# Altium PCB carrier.PcbDoc (part 5 of 5)
Units mil, origin at the board's own origin, x right, y up, seen from the top; angles counter-clockwise.
Board outline 5511.81 x 3425.2 mil, 4 copper layers (Component Side, Power_layer1, Power_layer2, Solder Side), stack 65.912 mil thick; 384 components, 416 nets, 1916 pads, 853 vias.
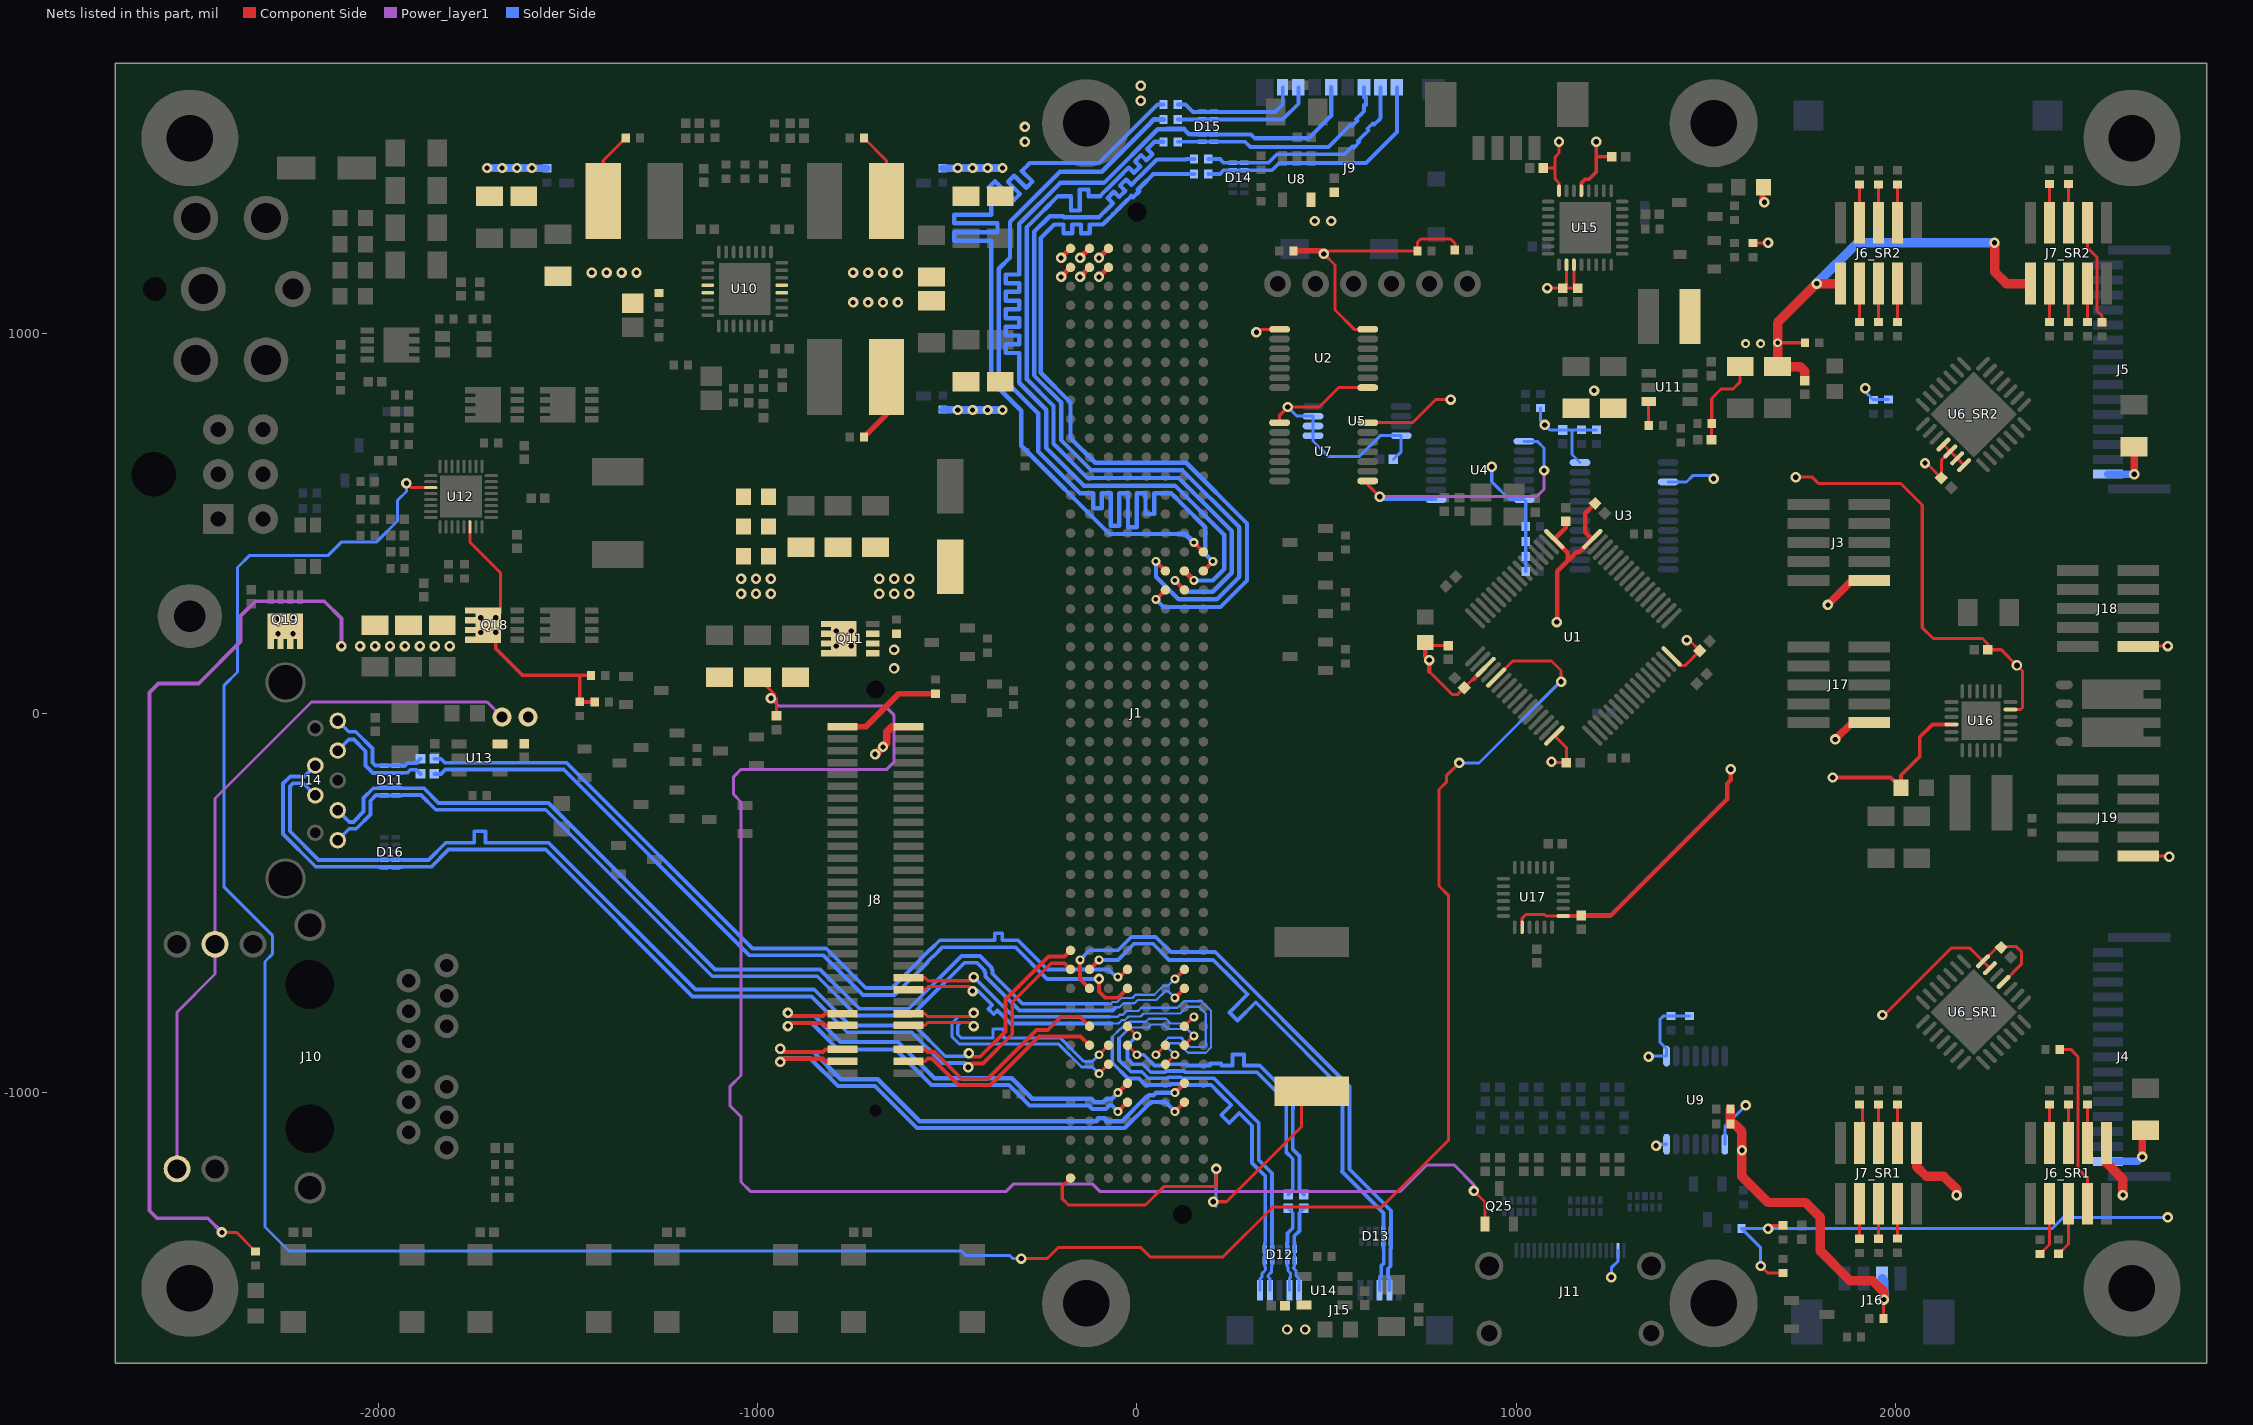
[diagram p7: the nets of this part, all layers, seen from the top]

## Via types
v1: diameter 27.56, hole 13.78, Component Side to Solder Side, 418 vias
v2: diameter 27.56, hole 13.78, Component Side to Solder Side, tented both sides, 128 vias
v3: diameter 23.62, hole 11.81, Component Side to Solder Side, tented top, 101 vias
v4: diameter 27.56, hole 13.78, Component Side to Solder Side, tented top, 72 vias
v5: diameter 27.56, hole 15.75, Component Side to Solder Side, 48 vias
v6: diameter 23.62, hole 11.81, Component Side to Solder Side, 39 vias
v7: diameter 27.56, hole 13.78, Component Side to Solder Side, tented bottom, 36 vias
v8: diameter 27.56, hole 15.75, Component Side to Solder Side, tented bottom, 7 vias
v9: diameter 50, hole 28, Component Side to Solder Side, 2 vias
v10: diameter 23.62, hole 11.81, Component Side to Solder Side, tented bottom, 2 vias

## Nets (pads, with @x,y where several pads share a name; then routed paths per layer and width w, separated by ;. In a path a pad name is that pad's centre, name@x,y a point inside that pad or via, vN(x,y) a via of type N, cw(c..) or ccw(c..) an arc to the next point about the centre after c; other vN are vias at no path point) (continued)
PROCHOT: U1.21 U12.11 | length 7381.6
  Component Side w8: v1(-1925.2,606.3) -1913.39,594.49 U12.11@-1861.22,594.49 ; v1(-305.12,-1437.01) -236.22,-1437.01 -206.69,-1407.48 9.26,-1407.48 34.73,-1432.95 226.44,-1432.95 358.44,-1300.96 645.03,-1300.96 821.54,-1124.45 821.54,-480.96 796,-455.41 796,-201 815.4,-181.6 815.4,-164.98 v1(849.42,-130.97) ; U1.21@946.78,94.21 990.36,137.8 1092.52,137.8 1117.71,112.61 v1(1117.71,82.83)
  Solder Side w8: v1(-1925.2,606.3) -1925.2,584.65 -1948.82,561.02 -1948.82,506.78 -2003.75,451.85 -2095.41,451.85 -2130.92,416.35 -2338.46,416.35 -2370.47,384.34 -2370.47,108.75 -2405.73,73.49 -2405.73,-458.55 -2277.78,-586.51 -2277.78,-633.74 -2298.09,-654.05 -2298.09,-1353.71 -2234.48,-1417.32 -462.6,-1417.32 -450.3,-1429.62 -334.65,-1429.62 -327.26,-1437.01 v1(-305.12,-1437.01) ; v1@849.42,-130.92 849.47,-130.87 883,-130.87 883.05,-130.92 901.45,-130.92 1115.2,82.83 v1(1117.71,82.83)
S0_SR1: J6_SR1.3 R13_SR1.2 | length 101.3
  Component Side w8: J6_SR1.3@2504.72,-1132.4 R13_SR1.2@2504.72,-1031.1
S0_SR2: J6_SR2.3 R13_SR2.2 | length 101.3
  Component Side w8: R13_SR2.2@1904.72,1031.1 J6_SR2.3@1904.72,1132.4
S1_SR1: J6_SR1.4 R14_SR1.2 | length 453.4
  Component Side w8: R14_SR1.2@2432.09,-885.83 2460.63,-885.83 2480.22,-905.42 2480.22,-1200.7 2504.72,-1225.2 J6_SR1.4@2504.72,-1292.4
S1_SR2: J6_SR2.4 R14_SR2.2 | length 101.3
  Component Side w8: J6_SR2.4@1904.72,1292.4 R14_SR2.2@1904.72,1393.7
S2_SR1: J6_SR1.5 R15_SR1.2 | length 101.3
  Component Side w8: J6_SR1.5@2454.72,-1132.4 R15_SR1.2@2454.72,-1031.1
S2_SR2: J6_SR2.5 R15_SR2.2 | length 101.3
  Component Side w8: R15_SR2.2@1954.72,1031.1 J6_SR2.5@1954.72,1132.4
S3_SR1: J6_SR1.6 R16_SR1.2 | length 142.4
  Component Side w8: R16_SR1.2@2429.13,-1424.21 2454.72,-1398.62 J6_SR1.6@2454.72,-1292.4
S3_SR2: J6_SR2.6 R16_SR2.2 | length 101.3
  Component Side w8: J6_SR2.6@1954.72,1292.4 R16_SR2.2@1954.72,1393.7
S4_SR1: J6_SR1.7 R113_SR1.2 | length 101.3
  Component Side w8: J6_SR1.7@2404.72,-1132.4 R113_SR1.2@2404.72,-1031.1
S4_SR2: J6_SR2.7 R113_SR2.2 | length 101.3
  Component Side w8: R113_SR2.2@2004.72,1031.1 J6_SR2.7@2004.72,1132.4
S5_SR1: J6_SR1.8 R114_SR1.2 | length 142.8
  Component Side w8: R114_SR1.2@2379.72,-1424.8 2404.72,-1399.8 J6_SR1.8@2404.72,-1292.4
S5_SR2: J6_SR2.8 R114_SR2.2 | length 101.3
  Component Side w8: J6_SR2.8@2004.72,1292.4 R114_SR2.2@2004.72,1393.7
S6_SR1: J7_SR1.3 R115_SR1.2 | length 101.3
  Component Side w8: J7_SR1.3@2004.72,-1132.4 R115_SR1.2@2004.72,-1031.1
S6_SR2: J7_SR2.3 R115_SR2.2 | length 101.3
  Component Side w8: R115_SR2.2@2404.72,1031.1 J7_SR2.3@2404.72,1132.4
S7_SR1: J7_SR1.4 R116_SR1.2 | length 91.9
  Component Side w8: R116_SR1.2@2004.72,-1384.35 J7_SR1.4@2004.72,-1292.4
S7_SR2: J7_SR2.4 R116_SR2.2 | length 102.3
  Component Side w8: J7_SR2.4@2404.72,1292.4 R116_SR2.2@2404.72,1394.69
S8_SR1: J7_SR1.5 R117_SR1.2 | length 101.3
  Component Side w8: J7_SR1.5@1954.72,-1132.4 R117_SR1.2@1954.72,-1031.1
S8_SR2: J7_SR2.5 R117_SR2.2 | length 101.3
  Component Side w8: R117_SR2.2@2454.72,1031.1 J7_SR2.5@2454.72,1132.4
S9_SR1: J7_SR1.6 R118_SR1.2 | length 92.4
  Component Side w8: R118_SR1.2@1954.72,-1384.84 J7_SR1.6@1954.72,-1292.4
S9_SR2: J7_SR2.6 R118_SR2.2 | length 102.3
  Component Side w8: J7_SR2.6@2454.72,1292.4 R118_SR2.2@2454.72,1394.69
S10_SR1: J7_SR1.7 R119_SR1.2 | length 101.3
  Component Side w8: J7_SR1.7@1912.6,-1132.4 R119_SR1.2@1912.6,-1031.1
S10_SR2: J7_SR2.7 R119_SR2.2 | length 101.3
  Component Side w8: R119_SR2.2@2504.72,1031.1 J7_SR2.7@2504.72,1132.4
S11_SR1: J7_SR1.8 R120_SR1.2 | length 92.4
  Component Side w8: R120_SR1.2@1904.72,-1384.84 J7_SR1.8@1904.72,-1292.4
S11_SR2: J7_SR2.8 R120_SR2.2 | length 277.9
  Component Side w8: J7_SR2.8@2504.72,1292.4 2504.72,1227.56 2530.22,1202.06 2530.22,1060.33 2543.31,1047.24 R120_SR2.2@2543.31,1030.51
SATA_RX_N: J1.G45 J8.55 | length 1366.8
  Component Side w11: v1(-940,-884.3) -931.72,-892.57 -827.21,-892.57 -820.46,-885.83 J8.55@-775.59,-885.83 ; v3(100,-1000) J1.G45@125,-975
  Solder Side w11: v1(-940,-884.3) -931.72,-892.57 -852.54,-892.57 -780.55,-964.57 -683.21,-964.57 -572.49,-1075.28 -187.01,-1075.28 -107.51,-1075.28 ccw(c-107.51,-1071.98) -104.21,-1071.98 -104.21,-1070.49 cw(c-100.91,-1070.49) -100.91,-1067.19 -85.51,-1067.19 cw(c-85.51,-1070.49) -82.21,-1070.49 -82.21,-1071.98 ccw(c-78.91,-1071.98) -78.91,-1075.28 -60.21,-1075.28 -49.21,-1075.28 -39.53,-1075.28 25.28,-1010.47 28.32,-1010.47 32.07,-1006.72 43.28,-1006.72 50,-1000 v3(100,-1000)
SATA_RX_P: J1.G46 J8.57 | length 1364
  Component Side w11: v1(-940,-918.85) -931.72,-910.57 -827.21,-910.57 -820.46,-917.32 J8.57@-775.59,-917.32 ; v3(100,-1050) J1.G46@125,-1025
  Solder Side w11: v1(-940,-918.85) -931.72,-910.57 -860,-910.57 -788.01,-982.57 -690.66,-982.57 -579.95,-1093.28 -32.07,-1093.28 32.74,-1028.47 35.78,-1028.47 39.53,-1024.72 60.47,-1024.72 60.75,-1025 75,-1025 v3(100,-1050)
SATA_TX_N: J1.D45 J8.49 | length 1164
  Component Side w11: v1(-920,-789.81) -911.72,-798.09 -827.21,-798.09 -820.46,-791.34 J8.49@-775.59,-791.34 ; v3(-50,-1000) J1.D45@-25,-975
  Solder Side w11: v1(-920,-789.81) -911.72,-798.09 -849.69,-798.09 -781.63,-866.14 -629.92,-866.14 -534.06,-962 -330,-962 -276,-1016 -119.75,-1016 -110.47,-1025.28 -89.53,-1025.28 -80.25,-1016 -66,-1016 v3(-50,-1000)
SATA_TX_P: J1.D46 J8.51 | length 1164
  Component Side w11: v1(-920,-824.37) -911.72,-816.09 -827.21,-816.09 -820.46,-822.83 J8.51@-775.59,-822.83 ; v3(-50,-1050) J1.D46@-25,-1025
  Solder Side w11: v1(-920,-824.37) -911.72,-816.09 -857.14,-816.09 -787.4,-885.83 -635.69,-885.83 -541.52,-980 -337.46,-980 -283.46,-1034 -127.21,-1034 -117.93,-1043.28 -82.07,-1043.28 -72.79,-1034 -66,-1034 v3(-50,-1050)
SDC_CLK: D15.4 J1.G18 J9.5 | length 2793.7
  Component Side w13.5: J1.G18@125,375 v3(150,350)
  Solder Side w10: D15.4@202.17,1525.59 300.48,1525.59 311.07,1515
  Solder Side w11.5: 78.74,1539.37 54.62,1539.37 -87.11,1397.64 -202.36,1397.64 -310,1290 -310,1190.94 -310,1179.44 -310,1156.44 -345.68,1156.44 -345.68,1133.44 -310,1133.44 -310,1110.44 -345.68,1110.44 -345.68,1087.44 -310,1087.44 -310,1064.44 -345.68,1064.44 -345.68,1041.44 -310,1041.44 -310,1018.44 -345.68,1018.44 -345.68,995.44 -310,995.44 -310,972.44 -345.68,972.44 -345.68,949.44 -310,949.44 -310,875.98 -310,871.1 -239,800.1 -239,699 -140,600 100,600 230,470 230,380 200,350 v3(150,350) ; 124.02,1539.37 137.8,1525.59 D15.4@171.85,1525.59 D15.4@202.17,1525.59 ; 311.07,1515 452.01,1515 512.01,1575 J9.5@512.01,1649.61
  Solder Side w13.5: 78.74,1539.37 124.02,1539.37
SDC_CMD: J1.G19 R25.1 | length 2135.9
  Component Side w11.5: v3(100,350) J1.G19@125,325
  Solder Side w11.5: R25.1@69.88,1505.91 45.9,1505.91 43.5,1503.51 27.24,1487.24 41.13,1473.35 24.86,1457.09 10.98,1470.98 -5.29,1454.72 8.6,1440.83 -7.66,1424.56 -21.55,1438.45 -37.81,1422.19 -45.95,1414.06 -64.58,1395.42 -65.83,1394.17 -97.11,1362.89 -112.53,1362.89 -127.83,1362.89 -127.83,1380.14 -150.83,1380.14 -150.83,1362.89 -150.83,1324.95 -173.83,1324.95 -173.83,1362.89 -196.83,1362.89 -208.33,1362.89 -220.25,1350.97 -236.51,1334.71 -252.78,1318.44 -260.91,1310.31 -290,1281.22 -290,880 -220,810 -220,710 -130,620 110,620 250,480 250,370 200,320 130,320 v3(100,350)
SDC_D0: J1.H18 R26.1 | length 2374.3
  Component Side w10: J1.H18@175,375 v3(200,400)
  Solder Side w11.5: 40,1560 -92.83,1427.17 -202.83,1427.17 -334.65,1295.35 -334.65,1200.79 -364.17,1171.26 -364.17,897.25 -364.17,894.17 -260,790 -260,690 -150,580 -138.5,580 -115.5,580 -115.5,540.25 -92.5,540.25 -92.5,580 -69.5,580 -69.5,494.25 -46.5,494.25 -46.5,580 -23.5,580 -23.5,489.94 -0.5,489.94 -0.5,580 22.5,580 22.5,525.13 45.5,525.13 45.5,580 68.5,580 90,580 98.13,571.87 114.4,555.6 118.46,551.54 180,490 180,420 v3(200,400)
  Solder Side w13.5: 40,1560 44.96,1564.96 R26.1@69.88,1564.96
SDC_D1: J1.H17 R125.1 | length 2484.7
  Component Side w10: v3(150,450) J1.H17@175,425
  Solder Side w11.5: R125.1@69.88,1604.33 54.33,1604.33 -100,1450 -282.28,1450 -295.28,1437.01 -303.41,1428.88 -275.61,1401.08 -291.88,1384.82 -319.67,1412.61 -323.74,1416.68 -340,1400.41 -335.93,1396.35 -308.14,1368.55 -324.4,1352.29 -352.2,1380.09 -374.11,1402 -390.38,1385.74 -368.46,1363.82 -383.86,1348.43 -383.86,1336.93 -383.86,1313.93 -481.3,1313.93 -481.3,1290.93 -383.86,1290.93 -367.66,1290.93 -367.66,1267.93 -383.86,1267.93 -481.3,1267.93 -481.3,1244.93 -383.86,1244.93 -383.86,1181.1 -383.86,875.98 -305.12,797.24 -305.12,705.12 -72.44,472.44 108.27,472.44
  Solder Side w13.5: 108.27,472.44 127.56,472.44 v3(150,450)
SDC_D2: J1.F19 R126.1 | length 2158.4
  Component Side w11.5: v3(50,300) J1.F19@75,325
  Solder Side w11.5: v3(50,300) 70,280 220,280 290,350 290,500 130,660 -110,660 -175,725 -175,819.1 -253.5,897.6 -253.5,1252.41 -217.91,1288 -193.5,1288 -193.5,1264.96 -170.5,1264.96 -170.5,1288 -147.5,1288 -147.5,1264.96 -124.5,1264.96 -124.5,1288 -101.5,1288 -90,1288 -79.65,1298.35 -63.39,1314.61 -47.13,1330.87 -30.86,1347.14 -14.6,1363.4 -10.53,1359.33 5.73,1375.6 1.66,1379.66 9.8,1387.8 43.26,1421.26 R126.1@150.59,1421.26
SDC_D3: J1.F18 R127.1 | length 2202.6
  Component Side w11.5: v3(50,400) J1.F18@75,375
  Solder Side w11.5: v3(50,400) 50,360 110,300 210,300 270,360 270,490 120,640 -120,640 -200,720 -200,819.35 -271,890.35 -271,1269 -230,1310 -194.96,1310 -192.41,1307.46 -159.86,1307.46 -122.36,1307.45 -108.27,1307.46 -100.02,1307.46 -95.87,1311.61 -79.61,1327.87 -63.34,1344.14 -77.23,1358.02 -60.97,1374.29 -47.08,1360.4 -30.82,1376.66 -44.7,1390.55 -28.44,1406.81 -14.55,1392.93 1.71,1409.19 9.84,1417.32 52.05,1459.53 130.16,1459.53 129.06,1460.63 R127.1@150.59,1460.63
SDCARD_CMD: D15.5 J9.3 R25.2 | length 618.9
  Solder Side w10: R25.2@107.28,1505.91 D15.5@171.85,1505.91 D15.5@202.17,1505.91 285.43,1505.91 298.84,1492.5 504.5,1492.5 563.27,1551.27 566.8,1547.73 580.94,1561.87 577.41,1565.41 591.55,1579.55 598.62,1586.62 598.62,1603 603.62,1603 603.62,1623 598.62,1623 598.62,1633 J9.3@598.62,1649.61
SDCARD_DAT0: D15.2 J9.7 R26.2 | length 375.5
  Solder Side w10: R26.2@110.24,1564.96 D15.2@171.85,1564.96 D15.2@202.17,1564.96 383.86,1564.96 425.39,1606.5 J9.7@425.39,1649.61
SDCARD_DAT1: D15.1 J9.8 R125.2 | length 338.2
  Solder Side w10: R125.2@107.28,1604.33 127.95,1604.33 147.64,1584.65 D15.1@171.85,1584.65 D15.1@202.17,1584.65 364.17,1584.65 384.06,1604.53 J9.8@384.06,1649.61
SDCARD_DAT2: D14.2 J9.1 R126.2 | length 660.9
  Solder Side w10: R126.2@187.99,1421.26 218.5,1421.26 228.35,1431.1 D14.2@252.56,1431.1 D14.2@282.87,1431.1 356.3,1431.1 375.2,1450 603.54,1450 685.24,1531.69 J9.1@685.24,1649.61
SDCARD_DAT3: D14.1 J9.2 R127.2 | length 608.2
  Solder Side w10: R127.2@187.99,1460.63 218.5,1460.63 228.35,1450.79 D14.1@252.56,1450.79 D14.1@282.87,1450.79 346.46,1450.79 368.67,1473 547,1473 554.07,1480.07 568.21,1494.21 571.75,1490.68 585.89,1504.82 582.36,1508.36 596.5,1522.5 610.64,1536.64 607.1,1540.18 621.25,1554.32 624.78,1550.78 638.92,1564.92 641.93,1567.93 641.93,1577.93 641.93,1597.93 641.93,1600 J9.2@641.93,1649.61
USB0_D_N: D13.1 J1.B40 J15.2 | length 1570.9
  Component Side w11: v3(-150,-650) -150,-700 J1.B40@-125,-725
  Solder Side w10: v3(-150,-650) -124.71,-624.71 -50.17,-624.71 -14.96,-589.5 49.71,-589.5 89.75,-629.54 206.18,-629.54 560,-983.36 560,-1201.87 669.29,-1311.16 D13.1@669.29,-1362.8 D13.1@669.29,-1393.11 669.29,-1408.94 668.45,-1409.78 668.45,-1457.26 661.56,-1464.15 661.56,-1485.3 665.35,-1489.09 J15.2@665.35,-1520.67
USB0_D_P: D13.2 J1.B39 J15.3 | length 1570.9
  Component Side w11: J1.B39@-125,-675 v3(-100,-650)
  Solder Side w10: v3(-100,-650) -50,-650 -7.5,-607.5 42.25,-607.5 84.75,-650 201.18,-650 259.84,-708.66 270.45,-719.27 291.66,-740.48 243.47,-788.68 264.68,-809.89 312.88,-761.69 348.43,-797.24 542,-990.82 542,-1205.32 540,-1207.32 649.61,-1316.93 D13.2@649.61,-1362.8 D13.2@649.61,-1393.11 649.61,-1408.94 650.45,-1409.78 650.45,-1449.8 643.56,-1456.69 643.56,-1485.3 639.76,-1489.09 J15.3@639.76,-1520.67
USB0_RX_N: D11.5 J1.G40 J14.5 | length 2701.2
  Component Side w10: v3(100,-750) J1.G40@125,-725
  Solder Side w6: -59.05,-775.59 -58.36,-774.9 -46.25,-774.9 -35.54,-764.19 -6.22,-764.19 2.07,-755.91 51.09,-755.91 75,-732 82,-732 v3(100,-750)
  Solder Side w10: J14.5@-2106.3,-334.65 -2075.93,-304.28 -2057.54,-304.28 -2020,-266.73 -2020,-230.69 -2005,-215.69 -2000.33,-215.69 -1999.49,-216.54 D11.5@-1983.66,-216.54 D11.5@-1953.35,-216.54 -1937.52,-216.54 -1936.68,-215.69 -1886.67,-215.69 -1848.14,-254.22 -1558.06,-254.22 -1119.28,-693 -842.43,-693 -738.82,-796.61 -593.99,-796.61 -454.86,-657.48 -421.37,-657.48 -401.71,-677.14 -401.71,-681.33 -399.03,-684.01 -399.03,-693.84 -309.18,-783.69 -64.33,-783.69 -57.64,-777
USB0_RX_P: D11.4 J1.G39 J14.6 | length 2698.7
  Component Side w10: v3(100,-700) J1.G39@125,-675
  Solder Side w6: -78.74,-765.69 -68.95,-765.69 -64.16,-760.9 -52.05,-760.9 -41.34,-750.19 -12.02,-750.19 -3.73,-741.91 45.3,-741.91 69.2,-718 82,-718 v3(100,-700)
  Solder Side w10: J14.6@-2106.3,-255.91 -2075.93,-286.28 -2065,-286.28 -2038,-259.28 -2038,-223.24 -2012.46,-197.69 -2000.33,-197.69 -1999.49,-196.85 D11.4@-1983.66,-196.85 D11.4@-1953.35,-196.85 -1937.52,-196.85 -1936.68,-197.69 -1879.21,-197.69 -1840.69,-236.22 -1550.61,-236.22 -1111.83,-675 -834.98,-675 -731.37,-778.61 -601.45,-778.61 -462.31,-639.48 -413.92,-639.48 -383.71,-669.69 -383.71,-673.87 -381.03,-676.55 -381.03,-686.39 -301.72,-765.69 -78.74,-765.69
USB0_TX_N: C91.2 J1.D40 | length 2215.8
  Component Side w10: v4(-100,-700) -100,-733.23 -83.23,-750 -50,-750 J1.D40@-25,-725
  Solder Side w10: C91.2@-1851.89,-160 -1834.29,-160 -1822.79,-148.5 -1510.54,-148.5 -1021.04,-638 -826.46,-638 -722.05,-742.41 -638.21,-742.41 -552.34,-656.53 -552.34,-655.09 -537.82,-640.57 -536.38,-640.57 -512.23,-616.43 -320.58,-616.43 -237.01,-700 v4(-100,-700)
USB0_TX_P: C90.2 J1.D39 | length 2222.8
  Component Side w10: v3(-50,-694.48) -44.48,-694.48 J1.D39@-25,-675
  Solder Side w10: C90.2@-1851.97,-120 -1834.37,-120 -1823.87,-130.5 -1503.09,-130.5 -1013.59,-620 -819,-620 -714.59,-724.41 -645.67,-724.41 -570.34,-649.08 -570.34,-647.63 -545.28,-622.57 -543.83,-622.57 -519.68,-598.43 -452.76,-598.43 -374.8,-598.43 -374.8,-579.61 -354.8,-579.61 -354.8,-598.43 -334.8,-598.43 -324.8,-598.43 -313.13,-598.43 -289.58,-621.97 -268.37,-643.18 -247.16,-664.39 ; -252.1,-659.45 -247.16,-664.39 ; v3(-50,-694.48) -55.52,-694.48 -75,-675 -236.55,-675 -247.16,-664.39
USB0_TXc_N: C91.1 D11.2 J14.8 | length 296.6
  Solder Side w10: J14.8@-2106.3,-98.43 -2077.43,-69.56 -2063.44,-69.56 -2033,-100 -2033,-137.46 -2012.98,-157.48 D11.2@-1983.66,-157.48 D11.2@-1953.35,-157.48 -1937.52,-157.48 -1936.68,-156.64 -1922.64,-156.64 -1915,-149 -1899.11,-149 C91.1@-1888.11,-160
USB0_TXc_P: C90.1 D11.1 J14.9 | length 297
  Solder Side w10: J14.9@-2106.3,-19.69 -2077.43,-48.56 -2058.99,-48.56 -2015,-92.54 -2015,-130 -2007.2,-137.8 D11.1@-1983.66,-137.8 D11.1@-1953.35,-137.8 -1937.52,-137.8 -1936.68,-138.64 -1930.09,-138.64 -1922.46,-131 -1899.19,-131 C90.1@-1888.19,-120
USB1_D_N: D16.5 J1.A39 J14.2 | length 2778.3
  Component Side w10: v1(-444.88,-933.07) -435.21,-923.4 -405.93,-923.4 -328.46,-845.93 -328.46,-761.53 -225.93,-659 -191,-659 J1.A39@-175,-675
  Solder Side w10: J14.2@-2165.35,-137.8 -2194.22,-166.67 -2231.49,-166.67 -2250.28,-185.46 -2250.28,-318.48 -2164.09,-404.67 -2000.33,-404.67 -1999.49,-405.51 D16.5@-1983.66,-405.51 D16.5@-1953.35,-405.51 -1937.52,-405.51 -1936.68,-404.67 -1859.53,-404.67 -1814.04,-359.18 -1558.14,-359.18 -1170.98,-746.35 -857.85,-746.35 -763.36,-840.83 -594.07,-840.83 -512.89,-922.01 -454.51,-922.01 -454.01,-922.51 -450.69,-922.51 -444.88,-928.32 v1(-444.88,-933.07)
USB1_D_P: D16.4 J1.A38 J14.3 | length 2776.4
  Component Side w10: v1(-442.91,-895.73) -433.24,-905.4 -413.39,-905.4 -346.46,-838.47 -346.46,-754.07 -233.38,-641 -191,-641 J1.A38@-175,-625
  Solder Side w10: J14.3@-2165.35,-216.54 -2197.22,-184.67 -2224.04,-184.67 -2232.28,-192.91 -2232.28,-311.02 -2156.64,-386.67 -2000.33,-386.67 -1999.49,-385.83 D16.4@-1983.66,-385.83 D16.4@-1953.35,-385.83 -1937.52,-385.83 -1936.68,-386.67 -1866.98,-386.67 -1821.5,-341.18 -1806.5,-341.18 -1776.5,-341.18 -1746.5,-341.18 -1746.5,-310.96 -1716.5,-310.96 -1716.5,-341.18 -1653.54,-341.18 -1550.68,-341.18 -1163.52,-728.35 -850.39,-728.35 -755.91,-822.83 -586.61,-822.83 -505.44,-904.01 -451.19,-904.01 v1(-442.91,-895.73)
USB1_RX_N: D12.4 J1.G43 J15.9 | length 1320.6
  Component Side w8: J1.G43@125,-875 v3(150,-850)
  Solder Side w6: -47.24,-857.24 -24.9,-834.9 -21.4,-834.9 -14.69,-828.19 29.11,-828.19 37.3,-820 70.71,-820 82.91,-832.21 132.21,-832.21 v3(150,-850)
  Solder Side w8: 345.1,-1481.67 345.1,-1484.8 350.39,-1490.09 J15.9@350.39,-1520.67 ; 345.4,-1481.98 353.96,-1473.43 353.96,-1459.49 356.3,-1457.15 D12.4@356.3,-1442.32
  Solder Side w10: -47.24,-857.24 -47.24,-913.39 -15.75,-944.88 12.81,-944.88 29.92,-962 80.28,-962 83.1,-959.19 116.9,-959.19 119.72,-962 203.37,-962 321.15,-1079.78 321.15,-1177.58 355.96,-1212.39 355.96,-1395.84 356.3,-1396.18 D12.4@356.3,-1412.01 D12.4@356.3,-1442.32 ; 354.96,-1370.08 354.96,-1268.13
USB1_RX_P: D12.5 J1.G42 J15.10 | length 1320.6
  Component Side w8: J1.G42@125,-825 v3(150,-800)
  Solder Side w6: -65.24,-854.03 -65.24,-852.62 -44.72,-832.09 -43.31,-832.09 -32.11,-820.9 -27.2,-820.9 -19.49,-813.19 23.31,-813.19 31.5,-805 76.21,-805 88.71,-817.5 132.5,-817.5 v3(150,-800)
  Solder Side w8: J15.10@324.8,-1520.67 324.8,-1490.09 330.1,-1484.8 330.1,-1476.07 338.96,-1467.21 338.96,-1459.49 336.61,-1457.15 D12.5@336.61,-1442.32
  Solder Side w10: -65.24,-854.03 -65.24,-920.84 -23.2,-962.88 5.35,-962.88 22.47,-980 87.74,-980 90.55,-977.19 109.45,-977.19 112.26,-980 195.91,-980 216.54,-1000.63 227.14,-1011.23 248.36,-1032.45 221.91,-1058.89 243.13,-1080.1 269.57,-1053.66 303.15,-1087.24 303.15,-1185.04 337.96,-1219.85 337.96,-1394.84 336.61,-1396.18 D12.5@336.61,-1412.01 D12.5@336.61,-1442.32
USB1_TX_N: C97.2 J1.D43 | length 846.1
  Component Side w8: J1.D43@-25,-875 v3(0,-900)
  Solder Side w10: v3(0,-900) 18.11,-900 27.19,-909.08 27.19,-909.45 40.55,-922.81 40.92,-922.81 46.11,-928 66.2,-928 69.01,-925.19 130.99,-925.19 133.8,-928 177.17,-928 192.17,-928 192.17,-923 222.17,-923 222.17,-928 252.17,-928 252.17,-899.54 282.17,-899.54 282.17,-928 314.96,-928 323.53,-928 411.7,-1016.17 411.7,-1043.73 ; 410.7,-1149.5 410.7,-1026.42 ; 411.2,-1149.5 428.37,-1166.67 428.37,-1256.72 C97.2@440,-1268.35
USB1_TX_P: C96.2 J1.D42 | length 840.1
  Component Side w8: J1.D42@-25,-825 v3(0,-850)
  Solder Side w8: 295.28,-945 305.24,-945
  Solder Side w10: v3(0,-850) -24.81,-874.81 -24.81,-910.28 -10.28,-924.81 15.36,-924.81 36.55,-946 73.66,-946 76.47,-943.19 123.53,-943.19 126.34,-946 316.08,-946 393.7,-1023.62 393.7,-1157.46 410.37,-1174.13 410.37,-1256.72 C96.2@398.74,-1268.35
USB1_TXc_N: C97.1 D12.1 J15.6 | length 233.9
  Solder Side w8: D12.1@415.35,-1412.01 D12.1@415.35,-1442.32 415.35,-1457.15 413.01,-1459.49 413.01,-1462.8 419.29,-1469.07 419.29,-1482.28 427.1,-1490.09 427.17,-1490.09 J15.6@427.17,-1520.67
  Solder Side w10: D12.1@415.35,-1412.01 415.35,-1396.18 414.51,-1395.34 414.51,-1377.95 428.37,-1364.09 428.37,-1316.2 C97.1@440,-1304.57
USB1_TXc_P: C96.1 D12.2 J15.7 | length 231.7
  Solder Side w8: D12.2@395.67,-1412.01 D12.2@395.67,-1442.32 395.67,-1457.15 398.01,-1459.49 398.01,-1469.01 404.29,-1475.29 404.29,-1487.38 401.57,-1490.09 J15.7@401.57,-1520.67
  Solder Side w10: D12.2@395.67,-1412.01 395.67,-1396.18 396.51,-1395.34 396.51,-1370.5 410.37,-1356.64 410.37,-1316.2 C96.1@398.74,-1304.57
USBM2_D_N: J1.B43 J8.58 | length 572.3
  Component Side w10: J8.58@-602.36,-917.32 -557.99,-917.32 -550.74,-910.07 -539.93,-910.07 -470,-980 -385.94,-980 -257.96,-852.02 -222.02,-852.02 -221.5,-851.5 -148.5,-851.5 J1.B43@-125,-875